# Altium PCB STC16.PcbDoc (continued)
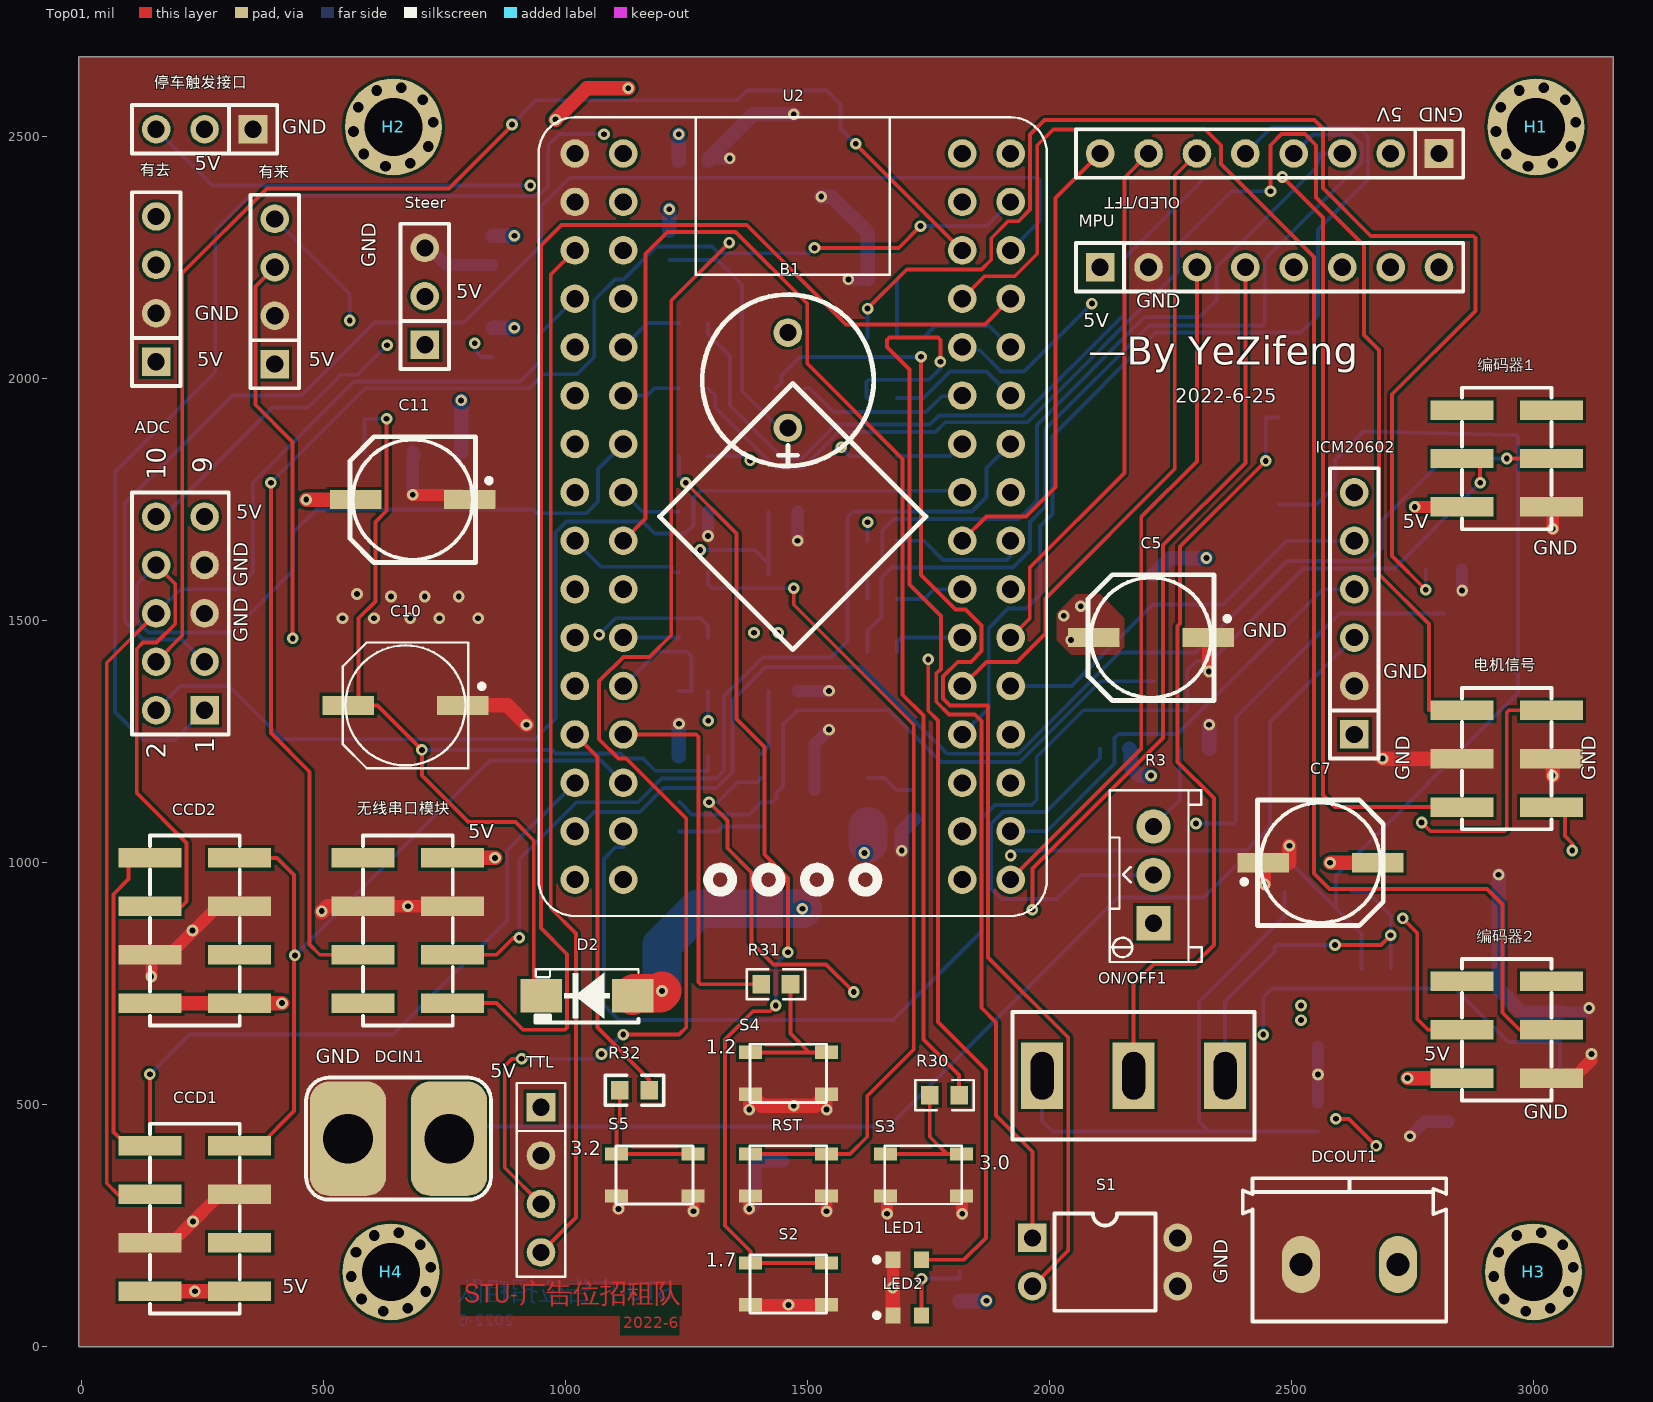
[diagram p0: Top01 view]
## Footprints (in the part's own frame and the unit in brackets; to place one, negate y for a bottom-side part, rotate by r counter-clockwise, add the part's x,y. Pads: shape width x height; smd on the part's side, far side on the other; paste and mask are expansions set on the pad)
0603_C [mm]
  rect 0.93x0.98 smd: 1(-0.77,0) 2(0.77,0)
  silkscreen extent -1.53,-0.79 1.54,0.79, body extent -0.8,-0.4 0.8,0.4, height 0.3
0603_R [mm]
  rect 0.93x0.98 smd: 1(-0.77,0) 2(0.77,0)
  silkscreen extent -1.54,-0.79 1.54,0.79, body extent -0.85,-0.4 0.85,0.4, height 0.56
"0630 TPC 7*7*3" [mm]
  rect 2.5x3 smd: 1(-2.8,0) 2(2.8,0)
  silkscreen extent -3.3,-3.3 3.3,3.3, body extent -3.3,-3.3 3.3,3.3, height 3
"BEEP 9x5.5mm" [mm]
  round 1.5 hole 0.9: 1(-2.5,0) 2(2.5,0)
  silkscreen extent -4.5,-4.5 4.5,4.5, body extent -4.8,-4.8 4.8,4.8, height 5.05
CAPS6.3 [mm]
  rect 2.7x1 smd: 1(-3,0) 2(3,0)
  silkscreen extent -3.3,-3.3 4.13,3.3, body extent -3.5,-3.3 3.5,3.3, height 5.2
DIP4 [mm]
  rect 1.5x1.5 hole 0.9: 1(-1.27,-3.81)
  round 1.5 hole 0.9: 2(1.27,-3.81) 3(1.27,3.81) 4(-1.27,3.81)
  silkscreen extent -2.55,-2.65 2.55,2.65, body extent -3.04,-4.95 3.04,4.95, height 7.03
Female-Header-2.54-SMD-8 [mm]
  rect 3.3x1.02 smd: 1(-2.35,3.81) 2(2.35,3.81) 3(-2.35,1.27) 4(2.35,1.27) 5(-2.35,-1.27) 6(2.35,-1.27) 7(-2.35,-3.81) 8(2.35,-3.81)
  silkscreen extent -2.35,-4.98 2.35,4.98, body extent -3.3,-5.33 3.3,5.33, height 5
HDR1X3 [mm]
  rect 1.5x1.5 hole 0.9: 1(0,0)
  round 1.5 hole 0.9: 2(2.54,0) 3(5.08,0)
  silkscreen extent -1.27,-1.27 6.35,1.27, body extent -1.27,-1.27 6.35,1.27, height 8.54
HDR1X4 [mm]
  rect 1.5x1.5 hole 0.9: 1(0,0)
  round 1.5 hole 0.9: 2(2.54,0) 3(5.08,0) 4(7.62,0)
  silkscreen extent -1.27,-1.27 8.89,1.27, body extent -1.27,-1.27 8.89,1.27, height 8.54
HDR1X6 [mm]
  rect 1.5x1.5 hole 0.9: 1(0,0)
  round 1.5 hole 0.9: 2(2.54,0) 3(5.08,0) 4(7.62,0) 5(10.16,0) 6(12.7,0)
  silkscreen extent -1.27,-1.27 13.97,1.27, body extent -1.27,-1.27 13.97,1.27, height 8.54
HDR1X8 [mm]
  rect 1.5x1.5 hole 0.9: 1(0,0)
  round 1.5 hole 0.9: 2(2.54,0) 3(5.08,0) 4(7.62,0) 5(10.16,0) 6(12.7,0) 7(15.24,0) 8(17.78,0)
  silkscreen extent -1.27,-1.27 19.05,1.27, body extent -1.27,-1.27 19.05,1.27, height 8.54
HDR2X3-M-SMT [mm]
  rect 3.3x1.02 smd: 1(-2.35,2.54) 2(2.35,2.54) 3(-2.35,0) 4(2.35,0) 5(-2.35,-2.54) 6(2.35,-2.54)
  silkscreen extent -2.35,-3.71 2.35,3.71, body extent -3.75,-3.81 3.75,3.81, height 9.74
HDR2X5 [mm]
  rect 1.5x1.5 hole 0.9: 1(0,0)
  round 1.5 hole 0.9: 2(0,2.54) 3(2.54,0) 4(2.54,2.54) 5(5.08,0) 6(5.08,2.54) 7(7.62,0) 8(7.62,2.54) 9(10.16,0) 10(10.16,2.54)
  silkscreen extent -1.27,-1.27 11.43,3.81
"KF/WJ/DG 301-2p-5.0mm" [mm]
  oval 2x3 hole 1.2: 1(2.54,0) 2(-2.54,0)
  silkscreen extent -5.6,-3 5.08,4.53, body extent -5.6,-3 5,4.6, height 10
LEDC1608(0603) [mm]
  rect 0.8x0.85 smd: A(0.75,0) C(-0.75,0)
  silkscreen extent -1.72,-0.12 -1.48,0.12, body extent -0.8,-0.4 0.8,0.4, height 0.64
PTS810-3*4-CurvePin [mm]
  rect 1.2x0.7 smd: 1(-2,-1.1) 1(2,-1.1) 2(-2,1.1) 2(2,1.1)
  silkscreen extent -2.02,-1.52 2,1.52, body extent -2.3,-1.6 2.3,1.6, height 2.5
RESPOT3296 [mm]
  rect 1.8x1.8 hole 0.9: 1(0,0)
  round 1.8 hole 0.9: 2(5.08,0) ADJ(2.54,0)
  silkscreen extent -2.03,-2.54 6.98,2.29, body extent -2.06,-2.44 7.14,2.36, height 12.46
SMA[DO-214AC] [mm]
  rect 2.2x1.75 smd: A(-2.4,0) K(2.4,0)
  silkscreen extent -2.7,-1.4 2.7,1.4, body extent -2.9,-1.46 2.91,1.46, height 2.3
SOD-123-L [mm]
  rect 1x0.85 smd: A(-1.75,0) K(1.75,0)
  silkscreen extent -1.33,-0.9 1.47,0.9, body extent -1.85,-0.8 1.85,0.8, height 1.2
SOP-8E [mm]
  rect 2.5x3.4 smd: 0(0,0)
  rect 1.8x0.65 smd: 1(-2.8,1.905) 2(-2.8,0.635) 3(-2.8,-0.635) 4(-2.8,-1.905) 5(2.8,-1.905) 6(2.8,-0.635) 7(2.8,0.635) 8(2.8,1.905)
  silkscreen extent -2.92,-2.45 1.58,2.82, body extent -3.11,-2.45 3.11,2.45, height 1.75
SOT-23 [mm]
  rect 1.05x0.65 smd: 1(-1.15,0.95) 2(-1.15,-0.95) 3(1.15,0)
  silkscreen extent 0.13,-1.35 0.58,1.35, body extent -1.4,-1.45 1.4,1.45, height 1.2
SS12D10 [mm]
  rect 2.2x3.5 hole 1.2 slot 2.5 at 90 deg mask+0.07: 1(-4.8,0) 2(0,0)
  rect 2.2x3.5 hole 1.2 slot 2.5 at 90 deg paste+0 mask+0.07: 3(4.8,0)
  silkscreen extent -6.35,-3.35 6.35,3.35, body extent -6.4,-3.3 6.35,3.8, height 12.5
STC16F40K128_CoreBoard [mm]
  round 1.5 hole 0.9: 1(-11.43,19.05) 2(-8.89,19.05) 3(-11.43,16.51) 4(-8.89,16.51) 5(-11.43,13.97) 6(-8.89,13.97) 7(-11.43,11.43) 8(-8.89,11.43) 9(-11.43,8.89) 10(-8.89,8.89) 11(-11.43,6.35) 12(-8.89,6.35) 13(-11.43,3.81) 14(-8.89,3.81) 16(-8.89,1.27) 17(-11.43,-1.27) 18(-8.89,-1.27) 19(-11.43,-3.81) 20(-8.89,-3.81) 21(-11.43,-6.35) 22(-8.89,-6.35) 23(-11.43,-8.89) 24(-8.89,-8.89) 25(-11.43,-11.43) 26(-8.89,-11.43) 27(-11.43,-13.97) 28(-8.89,-13.97) 29(-11.43,-16.51) 30(-8.89,-16.51) 31(-11.43,-19.05) 32(-8.89,-19.05) 33(8.89,-19.05) 34(11.43,-19.05) 35(8.89,-16.51) 36(11.43,-16.51) 37(8.89,-13.97) 38(11.43,-13.97) 39(8.89,-11.43) 40(11.43,-11.43) 41(8.89,-8.89) 42(11.43,-8.89) 43(8.89,-6.35) 44(11.43,-6.35) 45(8.89,-3.81) 46(11.43,-3.81) 47(8.89,-1.27) 48(11.43,-1.27) 49(8.89,1.27) 50(11.43,1.27) 51(8.89,3.81) 52(11.43,3.81) 53(8.89,6.35) 54(11.43,6.35) 55(8.89,8.89) 56(11.43,8.89) 57(8.89,11.43) 58(11.43,11.43) 59(8.89,13.97) 60(11.43,13.97) 61(8.89,16.51) 62(11.43,16.51) 63(8.89,19.05) 64(11.43,19.05)
  round 1.5 hole 0.9 mask+0.102: 15(-11.43,1.27)
  silkscreen extent -13.33,-20.95 13.33,20.95
TO-252AA [mm]
  rect 6.7x5.5 smd: 1(3.275,0)
  rect 2.2x0.95 smd: 2(-3.275,2.28) 3(-3.275,-2.28)
  silkscreen extent -3.4,-3.35 -0.48,3.43, body extent -3.77,-3.27 6.16,3.27, height 2.39
TO-263-3 [mm]
  rect 1.07x3.5 smd: 1(-2.54,-4.623)
  rrect50% 1.07x3.5 smd: 2(0,-4.623) 3(2.54,-4.623)
  rrect10% 10.8x11 smd: 2(0,4.623)
  silkscreen extent -5.7,-6.27 5.7,10.42, body extent -5.08,-5.39 5.08,8.84, height 4.87
"Wired T-Header ThroughHole" [mm]
  rrect50% 6x4 hole 2.6: 1(0,2.65)
  rrect50% 6x4 hole 2.6 mask+0.102: 2(0,-2.65)
  silkscreen extent -3.2,-4.85 3.2,4.85
铜柱孔3#1 [mil]
  round 23 hole 22: 11(-82.21,-9.67) 11(-72.19,40.5) 11(-60.83,-56.14) 11(-34.6,75.2) 11(-16.21,-81.17) 11(16.21,81.17) 11(34.6,-75.2) 11(60.83,56.14) 11(72.19,-40.5) 11(82.21,9.67)
  round 200 hole 120: ""(0,0)
铜柱孔3#2 [mil]
  round 23 hole 22: 11(-82.21,-9.67) 11(-72.19,40.5) 11(-60.83,-56.14) 11(-34.6,75.2) 11(-16.21,-81.17) 11(16.21,81.17) 11(34.6,-75.2) 11(60.83,56.14) 11(72.19,-40.5) 11(82.21,9.67)
  round 200 hole 120: 11(0,0)

## Part data
B1: "蜂鸣器"
C1 C2 C3 C8 C12 C13: library part Cap-Chip, "贴片电容100nF", Tolerance=±10%, Voltage=50V, Price(RMB)=0.000, Published=8-Jun-2000, Publisher="Altium Limited", Revision="July-2002: Re-released for DXP Platform."
C4 C9: library part Cap-Chip_2, "贴片电容10uF", Tolerance=±10%, Voltage=50V, Price(RMB)=0.000, Published=8-Jun-2000, Publisher="Altium Limited", Revision="July-2002: Re-released for DXP Platform."
C5 C10: library part Cap-Solid, "Polarized Capacitor (Radial) 100uF，25V", Voltage=25V, Price(RMB)=0.000, Published=8-Jun-2000, Publisher="Altium Limited", Revision="July-2002: Re-released for DXP Platform."
C6: library part Cap-Chip_1, "贴片电容1uF", Tolerance=±10%, Voltage=50V, Price(RMB)=0.000, Published=8-Jun-2000, Publisher="Altium Limited", Revision="July-2002: Re-released for DXP Platform."
C7 C11: library part Cap-Solid_1, "Polarized Capacitor (Radial)  220uF 16V", Voltage=16V, Price(RMB)=0.000, Published=8-Jun-2000, Publisher="Altium Limited", Revision="July-2002: Re-released for DXP Platform."
CCD1 CCD2 无线串口模块: "Header, 4-Pin, Dual row", LatestRevisionDate=17-Jul-2002, LatestRevisionNote="Re-released for DXP Platform.", Price(RMB)=0.00, Publisher="Altium Limited"
D1: library part "Diode TVS Uni-Dir", "TRANSIENT VOLTAGE  SUPPRESSOR DIODE", Imax=500mA, Price(RMB)=0.000, Published=8-Jun-2000, Publisher="Altium Limited"
D2: library part Diode, "普通二极管 Diode", Imax=500mA, Price(RMB)=0.000, Published=8-Jun-2000, Publisher="Altium Limited", Revision="July-2002: Re-released for DXP Platform."
DCIN1: library part T_Header
DCOUT1: library part "KF/WJ/DG 30x", "接线端子 2Pin"
FB1: library part "Ind Chip 2", "Chip Inductor, Ferrite-Core, Silkscreen Border", DCR=.1m, Imax=50mA, Price(RMB)=0.000, Published=8-Jun-2000, Publisher="Altium Limited", Revision="July-2002: Re-released for DXP Platform."
ICM20602: "Header, 6-Pin", LatestRevisionDate=17-Jul-2002, LatestRevisionNote="Re-released for DXP Platform.", Price(RMB)=0.00, Publisher="Altium Limited"
L1: library part "Ind Power", "Power Inductor, Ferrite-Core", DCR=.5m, Imax=50mA, Price(RMB)=0.000, Published=8-Jun-2000, Publisher="Altium Limited", Revision="July-2002: Re-released for DXP Platform."
LED1 LED2: library part "LED Chip Green", "Typical Chip LED", Price(RMB)=0.00, Published=8-Jun-2000, Publisher="Altium Limited", Revision="July-2002: Re-released for DXP Platform."
OLED/TFT: "Header, 8-Pin", LatestRevisionDate=17-Jul-2002, LatestRevisionNote="Re-released for DXP Platform.", Price(RMB)=0.00, Publisher="Altium Limited"
ON/OFF1: "单刀双掷开关 3脚船型、钮子、拨动开关 SPDT Subminiature Toggle Switch", Price(RMB)=0.000, Published=24-Mar-1999, Publisher="Altium Limited"
Q1: "HY19P03 P-Channel MOSFET"
Q2: library part "NPN S8050", "Discrete NPN Bipolar Transistor", PartNumber=S8050, Price(RMB)=0.000, Published=8-Jun-2000, Publisher="Altium Limited", Revision="July-2002: Re-released for DXP Platform."
R1 R14 R21: library part Res-Chip, "贴片电阻4.7K", Tolerance=±1%, Price(RMB)=0.000, Published=8-Jun-2000, Publisher="Altium Limited", Revision="July-2002: Re-released for DXP Platform."
R2 R12: library part Res-Chip_4, "贴片电阻1K", Tolerance=±1%, Price(RMB)=0.000, Published=8-Jun-2000, Publisher="Altium Limited", Revision="July-2002: Re-released for DXP Platform."
R3: library part "Res Adj 3p", "可调电阻"
R4: library part Res-Chip, "贴片电阻15K", Tolerance=±1%, Price(RMB)=0.000, Published=8-Jun-2000, Publisher="Altium Limited", Revision="July-2002: Re-released for DXP Platform."
R5 R6 R25 R26 R27 R28 R29: library part Res-Chip_5, "贴片电阻100R", Tolerance=±1%, Price(RMB)=0.000, Published=8-Jun-2000, Publisher="Altium Limited", Revision="July-2002: Re-released for DXP Platform."
R7 R10 R11 R13: library part Res-Chip, "贴片电阻10K", Tolerance=±1%, Price(RMB)=0.000, Published=8-Jun-2000, Publisher="Altium Limited", Revision="July-2002: Re-released for DXP Platform."
R8: library part Res-Chip_7, "贴片电阻", Tolerance=±1%, Price(RMB)=0.000, Published=8-Jun-2000, Publisher="Altium Limited", Revision="July-2002: Re-released for DXP Platform."
R9: library part Res-Chip_1, "贴片电阻100K", Tolerance=±1%, Price(RMB)=0.000, Published=8-Jun-2000, Publisher="Altium Limited", Revision="July-2002: Re-released for DXP Platform."
R15 R16 R17 R24 R30 R31 R32: library part Res-Chip_8, "贴片电阻", Tolerance=±1%, Price(RMB)=0.000, Published=8-Jun-2000, Publisher="Altium Limited", Revision="July-2002: Re-released for DXP Platform."
R18: library part Res-Chip_6, "贴片电阻", Tolerance=±1%, Price(RMB)=0.000, Published=8-Jun-2000, Publisher="Altium Limited", Revision="July-2002: Re-released for DXP Platform."
R23: library part Res-Chip_3, "贴片电阻10K", Tolerance=±1%, Price(RMB)=0.000, Published=8-Jun-2000, Publisher="Altium Limited", Revision="July-2002: Re-released for DXP Platform."
RST S2 S3 S4 S5: library part KEY, "按键", Price(RMB)=0.000, Published=24-Mar-1999, Publisher="Altium Limited"
S1: library part "Code SW-2", "2位拨码开关", Price(RMB)=0.000, Published=24-Mar-1999, Publisher="Altium Limited", Revision="July-2002: Re-released for DXP Platform."
Steer 停车触发接口: "Header, 3-Pin", LatestRevisionDate=17-Jul-2002, LatestRevisionNote="Re-released for DXP Platform.", Price(RMB)=0.00, Publisher="Altium Limited"
TTL 有去 有来: "Header, 4-Pin", LatestRevisionDate=17-Jul-2002, LatestRevisionNote="Re-released for DXP Platform.", Price(RMB)=0.00, Publisher="Altium Limited"
U1: "同步buck"
U2: "逐飞科技 STC16F40K128核心板"
U3: library part LM2940-5.0, "5V LDO TO-263-3"
电机信号 编码器1 编码器2: "Header, 3-Pin, Dual row", LatestRevisionDate=17-Jul-2002, LatestRevisionNote="Re-released for DXP Platform.", Price(RMB)=0.00, Publisher="Altium Limited"

## Via types
v1: diameter 24, hole 12, Top01 to Bottom04, tented both sides, 132 vias

## Nets (pads, with @x,y where several pads share a name; then routed paths per layer and width w, separated by ;. In a path a pad name is that pad's centre, name@x,y a point inside that pad or via, vN(x,y) a via of type N, cw(c..) or ccw(c..) an arc to the next point about the centre after c; other vN are vias at no path point)
0.0: ADC.1 U2.50 | length 3549.2
  PWR03 w8: v1(1080,2505) 1080,2245 1099.53,2225.47 1384.53,2225.47 1482.5,2127.5 cw(c1460,2095) 1492.5,2117.5 1760,1850 1760,1849.69 1789.69,1820 1865,1820 U2.50
  Bottom04 w8: ADC.1 193,1253 128,1253 70,1311 70,1807 277,2014 277,2306 348,2377 944,2377 965,2398 965,2482 988,2505 v1(1080,2505)
0.1: ADC.2 U2.49 | length 2224.3
  Bottom04 w8: ADC.2 205,1365 306,1365 416,1255 937,1255 980,1298 980,1682 1003,1705 1160,1705 1185,1680 1248,1680 1265,1697 1265,1754 1279.29,1768.29 1816.71,1768.29 U2.49
0.2: U2.52 无线串口模块.3 | length 1959.4
  Top01 w8: 无线串口模块.3 858.22,810 893.21,845 v1(905,845)
  Bottom04 w8: v1(905,845) 905,1007 1023,1125 1150,1125 1199,1174 1312,1174 1328.3,1190.3 1328.3,1344.3 1408,1424 1549,1424 1583,1458 1583,1714 1594.47,1725.47 1840,1725.47 1870,1755.47 1870,1815 U2.52
0.3: U2.58 无线串口模块.1 | length 2993.1
  Top01 w8: 无线串口模块.1 858,710 913,655 999.31,655 1004,659.69 1004,811 950,865 950,2275 992,2317 1375,2317 1580,2112 1867,2112 U2.58
0.4: U2.57 编码器2.4 | length 3163.9
  Top01 w8: U2.57 1866.47,2211.47 1928.47,2211.47 1975,2258 1975,2482 2008,2515 2322,2515 2355,2482 2355,2443 2547,2251 2547,978 2579,946 2904,946 2936,914 2936,690 2971,655 编码器2.4
0.5: ADC.3 U2.60 | length 2830.8
  Bottom04 w8: ADC.3 208.53,1461.47 128,1461.47 90,1499.47 90,1742 313,1965 455,1965 606,2116 791,2116 950,2275 950,2356 1009,2415 1975.31,2415 1980,2410.31 1980,2325 U2.60
0.6: ADC.4 U2.59 | length 2762.8
  Top01 w8: ADC.4 209,1469 209,2218 384,2393 760,2393 v1@891,2524 ; v1@1597.5,2487.5 v1(1600,2485) U2.59
  Bottom04 w8: v1(890,2525) 940,2575 1355,2575 1375,2595 1540.31,2595 1568.63,2566.69 1568.63,2516.37 v1(1600,2485)
0.7: U2.62 无线串口模块.4 | length 2954.7
  Top01 w8: v1(392,1785) 392,1268 472,1188 472,831 493,810 无线串口模块.4 ; v1(1515,2270) 1689,2270 v1(1734,2315)
  Bottom04 w8: v1(392,1785) 587,1980 925,1980 954,2009 1024,2009 1060,2045 1060,2162 1103,2205 1120,2205 1188,2273 1303,2273 1317,2259 1504,2259 v1(1515,2270) ; v1(1734,2315) 1870,2315 U2.62
1.0: TTL.3 U2.61 | length 3124.7
  Top01 w8: v1(910,595) 890,595 875,580 875,370 TTL.3 ; v1(1120,645) 1235,645 1250,660 1250,1091 1126,1215 1110,1215 1070,1255 1070,1375 1120,1425 1174,1425 1219,1470 1219,2161 v1(1339,2281)
  PWR03 w8: v1(1339,2281) 1339,2297 1440,2398 1787,2398 U2.61
  Bottom04 w8: v1(910,595) 1060.67,595 1070.67,605 v1(1075,605) 1077.5,605 1117.5,645 v1(1120,645)
1.1: TTL.4 U2.5 | length 2142.1
  Top01 w8: TTL.4 1022,267 1022,854 970,906 970,2215 U2.5
1.3: ADC.6 CCD1.6 U2.7 | length 2594.4
  Top01 w8: CCD1.6 76,315 53,338 53,1413 ADC.6
  Bottom04 w8: ADC.6 205,1565 320,1565 355,1600 355,1785 564,1994 906.28,1994 946.28,2034 946.28,2091.28 U2.7
1.4: ADC.8 CCD2.6 U2.14 | length 2283.1
  Top01 w8: CCD2.6 208,910 218,920 218,1041 115,1144 115,1442 128,1455 156,1455 194.53,1493.53 194.53,1575.47 ADC.8
  Bottom04 w8: ADC.8 115.47,1575.47 115.47,1498.63 138.63,1475.47 310,1475.47 438,1603.47 438,1682 486,1730 934,1730 942,1722 1044,1722 1068,1746 1068,1813 U2.14
1.5: C2.1 R8.2 R9.1 U2.16 | length 621.5
  PWR03 w8: U2.16 1160,1765 v1(1279,1646)
  Bottom04 w8: U2.16 1160,1725 C2.1 ; v1(1279,1646) 1392,1646 1419.69,1618.31 ; R9.1 1419.69,1618.31 ; R8.2 1420,1618 1419.69,1618.31
1.6: ADC.10 U2.15 | length 1159.5
  PWR03 w8: v1(631.97,2068.97) 680.94,2020 802.47,2020 1020,1802.47 U2.15
  Bottom04 w8: ADC.10 168.82,1715 182.68,1728.86 183.86,1728.86 395,1940 469,1940 537,2008 571,2008 v1(631.97,2068.97)
1.7: R30.1 U2.18 | length 2791
  Top01 w8: U2.18 1166,1711 1166,2258 1211,2303 1352,2303 1500,2155 1500,2031 1697,1834 1697,1347 1740,1304 1740,635 1813.74,561.26 R30.1
2.0: OLED/TFT.5 U2.39 | length 2063.4
  Bottom04 w8: U2.39 1875,1320 1875,1485 1915,1525 1952,1525 1981,1554 1981,1695 2006.34,1720.34 2006.34,1881.84 2219.5,2095 2520,2095 2555,2130 2555,2307.94 2658.53,2411.47 2658.53,2500 2640,2518.53 2458.53,2518.53 OLED/TFT.5
2.1: OLED/TFT.6 U2.41 | length 1337.8
  Top01 w8: U2.41 1870,1415 1933,1415 1991.81,1473.81 1991.81,1546.16 2259,1813.35 2259,2419 OLED/TFT.6
2.2: OLED/TFT.7 U2.44 | length 1118.1
  Top01 w8: U2.44 1959.53,1504.53 1959.53,1609.53 2155,1805 2155,2415 OLED/TFT.7
2.3: R5.2 U2.43 | length 159.5
  Bottom04 w8: R5.2 1685.32,1456.15 1694.17,1465 U2.43
2.5: R6.2 U2.45 | length 143
  Bottom04 w8: R6.2 1742,1545 1762,1565 U2.45
2.6: R29.1 U2.48 | length 285.9
  Bottom04 w8: R29.1 1740.94,1665 1780.47,1625.47 1912,1625.47 1920,1633.47 U2.48
2.7: OLED/TFT.8 U2.47 | length 966.1
  Top01 w8: U2.47 1870,1715 1952,1715 2013,1776 2013,2373 OLED/TFT.8
3.0: R31.1 U2.26 | length 795.2
  Top01 w8: U2.26 1270.31,1265 1275,1260.31 1275,753.7 1279.69,749.02 R31.1
3.1: R32.1 U2.25 | length 798.5
  Top01 w8: U2.25 1066.47,1218.53 1066.47,659.44 1173.32,552.59 R32.1
3.2: CCD1.7 CCD2.7 U2.28 | length 1621.9
  Top01 w8: CCD1.7 368,415 440,487 440,975 405,1010 CCD2.7
  Bottom04 w8: v1(441.5,808.5) 844.47,1211.47 1073.53,1211.47 U2.28
3.3: CCD1.8 CCD2.8 U2.27 | length 2070.5
  Top01 w8: v1(142,563) CCD1.8@142,415 ; CCD1.8 CCD1.8@142,415 ; CCD2.8 98,1010 98,966 67,935 67,444 96,415 CCD1.8@142,415
  Bottom04 w8: v1(142,563) 224,645 644,645 880,881 880,1025 U2.27
3.4: U2.30 编码器1.3 | length 2992.3
  Top01 w8: 编码器1.3 2890,1835 v1(2890,1785)
  Bottom04 w8: U2.30 1120,1032 1104,1032 1080,1008 1080,706 1111,675 1677,675 1860,858 1860,1091 1888,1119 1963,1119 1974,1130 1974,1219 2070,1315 2285,1315 2285,1398 2304,1417 2334,1417 2525,1608 2713,1608 v1(2890,1785)
3.5: U2.29 编码器1.4 | length 2604.8
  Top01 w8: v1(2945,1835) 编码器1.4
  Bottom04 w8: U2.29 1060,1105 1154,1105 1203,1154 1312,1154 1345.33,1187.33 1345.33,1335.33 1414,1404 1610,1404 1780.47,1233.53 1789,1225 1936,1225 2145,1434 2302,1434 2491,1623 2660,1623 2687,1650 2687,1707 2815,1835 v1(2945,1835)
4.0: ICM20602.3 U2.19 | length 2323
  PWR03 w8: U2.19 1069,1516 1640,1516 1720.47,1435.53 1720.47,1286.53 1792,1215 1841,1215 1870,1186 1870,1042 1887,1025 1910,1025 v1(1920,1015)
  Bottom04 w8: v1(1920,1015) 1930,1025 2407,1025 2456,1074 2456,1291 ICM20602.3
4.1: ICM20602.4 U2.36 | length 948.2
  Bottom04 w8: U2.36 1995,1065 2135,1205 2135,1258 2143,1266 2265,1266 2421.14,1422.14 2422.14,1422.14 2565,1565 ICM20602.4
4.2: ICM20602.5 U2.42 | length 834.3
  Bottom04 w8: U2.42 2046,1365 2214.35,1533.35 2358.62,1533.35 2490.27,1665 ICM20602.5
4.3: ICM20602.6 U2.55 | length 1050.2
  PWR03 w8: v1(2088,2155) 2478,1765 ICM20602.6
  Bottom04 w8: U2.55 1826.36,2058.64 1856.36,2058.64 1900,2015 1948,2015 v1(2088,2155)
4.6: U2.63 有去.3 | length 2055.1
  PWR03 w8: 有去.3 205,2285 205,2555 280,2630 1060.36,2630 1122.36,2568 1717,2568 U2.63
5.0: U2.32 有来.4 | length 1767
  PWR03 w8: v1(555,2120) 555,2114.83 669.83,2000 779,2000 953.98,1825.02 953.98,1063.02 992,1025 1060,1025 U2.32
  Bottom04 w8: 有来.4 555,2175 v1(555,2120)
5.1: U2.31 有来.3 | length 1604.5
  Top01 w8: 有来.3 360,2190 360,1946 437,1869 v1(437,1463.36)
  PWR03 w8: v1(437,1463.36) 521.64,1463.36 U2.31
5.3: U2.6 编码器2.3 | length 2792.4
  Top01 w8: v1(2730,885) 2760,855 2760,677 2782,655 编码器2.3
  PWR03 w8: U2.6 1317,2265 1323,2259 1446,2259 1780,1925 1920,1925 2150,1695 2150,1202 2200,1152 2280,1152 2547,885 v1(2730,885)
6.0: R25.2 U2.10 | length 135.4
  Bottom04 w8: U2.10 1170,2115 R25.2
6.2: R26.1 U2.12 | length 120.9
  Bottom04 w8: U2.12 1169,1965 1184,1980 R26.1
6.4: R27.2 U2.22 | length 114.7
  Bottom04 w8: U2.22 R27.2
6.6: R28.1 U2.24 | length 271.6
  Bottom04 w8: U2.24 1190.71,1435.71 1251.29,1435.71 1261,1426 1261,1355 R28.1
7.0: R17.1 U2.35 | length 1599.6
  PWR03 w8: v1(1382,1831) 1708,1505 1936,1505 1960,1481 1960,946 1939,925 1884,925 1863,946 1863,1022 U2.35
  Bottom04 w8: R17.1 1373,1840 v1(1382,1831)
7.4: R2.1 U2.51 | length 145
  Bottom04 w8: R2.1 1795,1840 U2.51
7.5: R15.1 U2.54 | length 278.2
  Bottom04 w8: R15.1 1740,1960 1795,2015 1870,2015 U2.54
7.6: R16.1 U2.53 | length 359.3
  Bottom04 w8: R16.1 1505,1980 1554.29,1930.71 1745.51,1930.71 1778.47,1963.67 1818.67,1963.67 U2.53
7.7: R21.1 R23.1 U2.56 | length 382.9
  Bottom04 w8: R23.1 R21.1 1740,2085 1764,2109 1876,2109 U2.56
FB: R3.2 R4.2 | length 182.5
  Bottom04 w8: R3.2 2269.37,1129.37 R4.2
GND: ADC.5 ADC.7 C2.2 C3.1 C4.2 C5.2 C6.2 C7.2 C8.1 C9.1 C10.2 C11.2 C12.1 C13.1 CCD1.4 CCD1.5 CCD2.4 CCD2.5 DCIN1.2 DCOUT1.2 FB1.1 FB1.2 ICM20602.2 LED1.C LED2.C MPU.2 OLED/TFT.1 Q2.2 R4.1 R9.2 R11.2 R12.1 R23.2 RST.1 S1.3 S1.4 S2.1 S3.1 S4.1 S5.1 Steer.3 TTL.2 U1.0 U2.1 U2.3 U3.2 停车触发接口.1 无线串口模块.5 无线串口模块.6 有去.2 有来.2 电机信号.3 电机信号.4 编码器1.6 编码器2.6 | length 4514.3
  Top01 w25: CCD1.4 187.36,215 v1(231.21,258.85) 275.06,302.7 275.06,307.43 282.64,315 CCD1.5 ; v1(145,765) 145,807.48 CCD2.4 187.36,810 194.94,817.58 194.94,822.31 282.64,910 CCD2.5 ; 无线串口模块.6 v1(675,910) 无线串口模块.5 ; v1(685,1760) 783.11,1760 798.11,1745 C11.2 ; S5.1@1106.26,311.69 1108.72,311.69 1110,310.41 v1(1110,285) ; S5.1@1263.74,311.69 1265,310.43 v1(1265,280) ; v1(1380,285) 1380,310.41 1381.28,311.69 RST.1@1382.52,311.69 ; v1(1380,490) 1380,520.41 1381.28,521.69 S4.1@1382.52,521.69 ; S2.1@1382.52,86.69 1540,86.69 S2.1@1549.84,86.69 ; v1(1540,280) RST.1@1540,311.69 ; v1(1540,490) S4.1@1540,521.69 ; S3.1@1661.26,311.69 1663.72,311.69 1665,310.41 v1(1665,275) ; v1(1676.95,122.5) LED1.C ; S3.1@1818.74,311.69 1820,310.43 v1(1820,275) ; C5.2 2328.11,1396.89 v1(2330,1395) ; C7.2 2445,996.89 v1(2445,955) ; 编码器2.6 3082.4,555 3120,592.6 v1(3120,605) ; 编码器1.6 3040,1732.52 v1(3040,1690)
  Top01 w30: v1(497,900) 497,898 509,910 无线串口模块.6 ; C10.2 880,1325 v1(920,1285) ; S5.1@1108.72,311.69 S5.1@1110,311.69 ; S4.1@1382.52,521.69 1406.21,498 v1(1472,498) 1516.31,498 S4.1@1540,521.69 ; LED2.C v1(1676.95,122.5) ; C7.2 2496,1000 v1(2496,1035) ; v1(2688.36,1215) 电机信号.4 ; 编码器1.6@3008,1735 编码器1.6 ; 电机信号.3 3040,1212.52 v1(3040,1180)
  Bottom04 w25: v1(685,1760) 685,1839.02 690,1844.02 U3.2@685,1849.02 ; Steer.3 719.22,2270 754.53,2234.69 C8.1 ; v1(1295,1675) 1295.31,1675.31 C2.2 ; C13.1 1300.32,2455 v1(1340,2455) ; FB1.2 FB1.1 ; v1(1480,1665) 1480.32,1665.32 R9.2 ; C9.1 v1(1545,1355) ; U1.0 1515,1245 v1(1545,1275) ; v1(1585,2205) R23.2 ; R12.1 v1(2555,562.5) C4.2 ; v1(2745,435) 2775,465 C3.1 ; Q2.2 2852.7,1604.98 v1(2852.7,1562.3) ; R11.2 3105.32,690.32 v1(3115,700)
  Bottom04 w30: C12.1 1234.68,1284.68 1235,1285 v1(1235,1287) ; C13.1 1295.32,2453 1388.32,2546 v1(1472,2546) ; v1(1380,285) 1390.19,295.19 FB1.2 ; v1(1529,2376) 1550.68,2376 1624.68,2302 R23.2 ; v1(1695,1025) 1695,1064.69 C6.2 ; R4.1 v1(2330,1285) ; v1(2928,975) 2928,738.32 2976,690.32 R11.2
  other v1: 1461.26,86.69 230,860 540,1505 605,1505 680,1505 740,1505 820,1505 640,1550 710,1550 780,1550 570,1555
NetB1_1: B1.1 R18.2 | length 516.8
  Bottom04 w8: R18.2 1314.32,2244.68 1365,2194 1365,1975 1432.08,1907.92 1450.23,1907.92 B1.1
NetB1_2: B1.2 Q2.3 | length 2532
  PWR03 w8: B1.2 1491,2095 1728,1858 1728,1657 1760,1625 2066,1625 2126,1565 2126,1074 2175,1025 2247,1025 v1(2303,1081)
  Bottom04 w8: v1(2303,1081) 2380.31,1081 2385,1085.69 2385,1300 2599.72,1514.72 Q2.3
NetC1_1: C1.1 U1.1 | length 173.4
  Bottom04 w8: C1.1 1315,1064.69 1325.31,1075 U1.1
NetC1_2: C1.2 L1.2 U1.2 | length 1273.3
  Bottom04 w8: C1.2 1236.65,1125.32 1250.96,1111.01 1250.96,1110.02 1260.99,1100 1379.76,1100 U1.2 1427.4,1125 1436.2,1133.8 1436.2,1144.06 1450.2,1158.06 1450.2,1285.2 1480,1315 1669,1315 1776,1208 1938.8,1208 2105.56,1374.76 L1.2
NetC6_1: C6.1 U1.6 | length 105
  Bottom04 w8: U1.6 1660,1175 1684.68,1150.32 C6.1
NetC9_2: C9.2 U1.4 | length 136.2
  Bottom04 w8: U1.4 1419.69,1239.92 C9.2
NetC10_1: C10.1 C12.2 D2.K U3.1 | length 2226.5
  Top01 w8: C10.1 C10.1@573,1325 ; v1(631,1917) 631,1727 608,1704 608,1540 573,1505 C10.1@573,1325 ; D2.K 935,740.51 935,1046 897,1084 800,1084 709,1175 708.69,1175 704,1179.69 v1(704,1233) 612,1325 C10.1@573,1325
  Bottom04 w8: U3.1 585,1917 v1(631,1917) ; v1(704,1233) 972.47,1233 980,1225.47 1114.53,1225.47 1125,1215 1161,1215 1186,1190 1295.31,1190 C12.2
NetD1_A: D1.A ON/OFF1.3 R12.2 | length 1250.2
  Bottom04 w8: ON/OFF1.3 1985.09,466 2006.4,444.68 2330.32,444.68 ; D1.A 2486.1,890 2309,712.9 2309,466 2330.32,444.68 ; R12.2 2330.32,444.68
NetD1_K: D1.K ON/OFF1.1 R1.2 | length 770.1
  Top01 w8: v1(2590,830) 2685,830 v1(2705,850)
  Bottom04 w8: ON/OFF1.1 2363.04,713.04 2465,815 2465,825 2470,830 v1(2590,830) ; D1.K 2656,940 2705.32,890.68 R1.2
NetDCIN1_1: DCIN1.1 Q1.3 R1.1 | length 3984.1
  Bottom04 w8: DCIN1.1 760,455 1669,455 2142,928 2319,928 2385,994 2504,994 2592,906 ; Q1.3 2552.24,1740.24 2590,1778 2590,1832 2648.97,1890.97 2963.87,1883.62 2968.48,1879.01 2968.48,1350.48 2592,974 2592,906 ; R1.1 2644.69,853.31 2592,906
NetLED1_A: LED1.A R13.2 | length 2663.9
  Top01 w8: LED1.A 1824,180 1869,225 1869,572 1770,671 1770,1293.97 1750,1313.97 v1(1750,1420)
  PWR03 w8: v1(813,2073) 839.19,2073 987.19,1925 1251.11,1925 1750,1426.11 v1(1750,1420)
  Bottom04 w8: v1(813,2073) 813,2059 827.32,2044.68 R13.2
NetLED2_A: LED2.A R14.2 | length 169.3
  Top01 w8: LED2.A v1(1736.01,141)
  Bottom04 w8: v1(1736.01,141) 1815,141 R14.2
NetOLED/TFT_3: OLED/TFT.3 R6.1 | length 1567.9
  Bottom04 w8: R6.1 1624.69,1590 1655,1620.31 1655,1686.47 1678.53,1710 1937,1710 1974.29,1747.29 1974.29,1904.49 2196.8,2127 2310,2127 2345,2162 2345,2230 2551.47,2436.47 2560,2465 OLED/TFT.3
NetOLED/TFT_4: OLED/TFT.4 R5.1 | length 1919.8
  Bottom04 w8: R5.1 1624.69,1479 1653,1507.31 1653,1589 1674,1610 1925,1610 1960,1645 1960,1704 1992.34,1736.34 1992.34,1895.84 2206.5,2110 2440.31,2110 2445,2114.69 2445,2246.47 2644.53,2446 2644.53,2484 2624,2504.53 2544.53,2504.53 OLED/TFT.4
NetON/OFF1_2: ON/OFF1.2 Q1.2 | length 1611.9
  Top01 w8: ON/OFF1.2 2174.06,748.94 2215,789.87 2215,790.31 2300.31,790.31 2340,830 2340,1133.37 2264.96,1208.41 2264.96,1488.83 2270,1493.86 2270,1653 v1(2447,1830)
  Bottom04 w8: v1(2447,1830) 2447,1919.76 Q1.2
NetQ2_1: Q2.1 R21.2 | length 2633.8
  Top01 w8: v1(1624.68,2144.68) 1705.47,2225.47 1860,2225.47 1880,2245.47 1880,2290 1915,2325 1936,2325 1960,2349 1960,2504 1990,2534 2548,2534 2565,2517 2565,2394 2664,2295 2875.31,2295 2880,2290.31 2880,2139.69 2708,1967.69 2708,1633.6 v1(2777.6,1564)
  Bottom04 w8: R21.2 v1(1624.68,2144.68) ; v1(2777.6,1564) Q2.1
NetR2_2: R2.2 Steer.1 | length 1049.7
  PWR03 w8: Steer.1 758,2118 821,2118 934,2005 1271,2005 1418,1858 v1(1570,1858)
  Bottom04 w8: v1(1570,1858) 1588,1840 R2.2
NetR3_ADJ: R3.ADJ R7.2 | length 798.5
  Bottom04 w8: R7.2 2104.37,1216.37 1993,1105 1904,1105 1880,1081 1880,946 1901,925 2015,925 2065,975 R3.ADJ
NetR10_1: R10.1 R11.1 U1.3 | length 2418.1
  Top01 w8: v1(1297,1125) 1335,1087 1335,1030 1385,980 1385,835 1430,790 1539,790 v1(1596,733)
  PWR03 w8: v1(1596,733) 1684,645 v1(2442,645)
  Bottom04 w8: v1(1297,1125) 1315,1125 1356.2,1166.2 1395.97,1166.2 U1.3 ; v1(2442,645) 2442,722 2460,740 2838,740 2948.31,629.69 R11.1 R10.1
NetR15_2: R15.2 S1.1 | length 2389.6
  Top01 w8: v1(1775,2035) 1775,2080 1770,2085 1670,2085 1665,2080 1665,2065.11 1711,2019.11 1711,1575 1776,1510 1776,1400.05 1766.47,1390.52 1766.47,1332.53 1793,1306 1846,1306 1859.53,1292.47 1859.53,700.47 1890,670 1890,478 1965,403 S1.1
  Bottom04 w8: R15.2 1622.34,1962.34 1622.34,1992.97 1627.03,1997.66 1751.77,1997.66 1775,2020.89 v1(1775,2035)
NetR16_2: R16.2 S1.2 | length 2551.8
  Top01 w8: v1(1735,2045) 1735,1594.1 1806.1,1523 1827,1523 1860,1490 1860,1437 1838,1415 1810.75,1415 1780.47,1384.72 1780.47,1339.53 1795,1325 1872.31,1325 1873.53,1323.78 1873.53,804.47 2039,639 2039,199 S1.2
  Bottom04 w8: R16.2 1446.61,1991.92 1446.61,2006.61 1485,2045 v1(1735,2045)
NetR17_2: R17.2 S2.2 | length 2013.6
  Top01 w8: v1(1249,1785) 1354,1680 1354,1297 1412,1239 1412,1017 1460,969 v1(1460,815) ; v1(1435,705) 1423.26,693.26 1388.26,693.26 1330,635 1330,250.04 1382.52,197.52 1382.52,173.31 S2.2@1540,173.31
  Bottom04 w8: R17.2 1234.68,1799.32 v1(1249,1785) ; v1(1435,705) 1435,790 v1(1460,815)
NetR24_2: R24.2 RST.2 | length 1736.3
  Top01 w8: RST.2@1382.52,398.31 1540,398.31 1588.31,398.31 1624,434 1624,518 1720,614 1720,1285 1472,1533 v1(1472,1567)
  Bottom04 w8: R24.2 1295.32,1575.68 1304,1567 v1(1472,1567)
NetR25_1: R25.1 电机信号.2 | length 3293.3
  Top01 w8: v1(2481.5,2416.5) 2565,2333 2565,1140 2590,1115 电机信号.2
  Bottom04 w8: R25.1 1295.31,2091.69 1340,2047 1340,1945 1450,1835 1489,1835 1559,1905 1752.94,1905 1771.94,1924 1946,1924 2155,2133 2155,2249 2322.5,2416.5 v1(2481.5,2416.5)
NetR26_2: R26.2 电机信号.6 | length 3054.6
  Top01 w8: v1(2457,2387) 2457,2482 2480,2505 2528,2505 2551,2482 2551,2374 2650,2275 2650,2090 2681,2059 2681,1596 2784,1493 2784,1315 电机信号.6
  Bottom04 w8: R26.2 1309.62,1965.69 1309.62,1940.38 1435,1815 1490,1815 1565,1890 1765,1890 1785,1910 1955,1910 2265,2220 2265,2276 2376,2387 v1(2457,2387)
NetR27_1: R27.1 电机信号.1 | length 3519
  Top01 w8: v1(2592,471) 2619,471 v1(2675,415) ; 电机信号.1 3048.83,1115 3064.91,1098.92 3064.91,1055.09 3080.71,1039.3 3080.71,1025.71 v1@3080,1025
  PWR03 w8: v1(1070,1471) 1070,1138 1088,1120 1160,1120 1198,1082 1198,880 1607,471 v1(2592,471) ; v1(2675,415) 3080,820 v1@3080,1025
  Bottom04 w8: v1(1070,1471) 1104,1505 1280.31,1505 1295.31,1490 R27.1
  other v1: 3080.35,1025.35
NetR28_2: R28.2 电机信号.5 | length 3112.8
  Top01 w8: v1(2769,1083) 2787,1065 2940.31,1065 2945,1069.69 2945,1310.31 2949.69,1315 电机信号.5
  PWR03 w8: v1(1295.32,1293.43) 1231,1229.11 1231,880 1318,793 1582,793 1693,682 2457,682 2527,612 2719,612 2769,662 v1(2769,1083)
  Bottom04 w8: v1(1295.32,1293.43) R28.2
NetR29_2: R29.2 停车触发接口.3 | length 2021.5
  PWR03 w8: v1(928,2399) 928,2299 1018.5,2208.5 1136.5,2208.5 1407,1938 1592.68,1938 1624.68,1906 v1(1624.68,1703.47)
  Bottom04 w8: 停车触发接口.3 271,2399 v1(928,2399) ; R29.2 v1(1624.68,1703.47)
NetR30_2: R30.2 S3.2 | length 294
  Top01 w8: S3.2@1661.26,398.31 1788.81,398.31 ; R30.2 1753.11,434 1788.81,398.31 ; S3.2@1818.74,398.31 1788.81,398.31
NetR31_2: R31.2 S4.2 | length 314.2
  Top01 w8: S4.2@1382.52,608.31 1504,608.31 ; R31.2 1465.32,646.99 1504,608.31 ; S4.2@1540,608.31 1504,608.31
NetR32_2: R32.2 S5.2 | length 291.8
  Top01 w8: R32.2 1112.69,466.43 1106.26,460 1106.26,398.31 S5.2@1263.74,398.31
RST: R24.1 U2.17 | length 248.3
  Bottom04 w8: U2.17 1073.53,1611.47 1220.38,1611.47 1220.38,1600 R24.1
SCL: MPU.3 U2.34 | length 1424.5
  Top01 w8: U2.34 2189.77,1234.77 2189.77,1713.77 2305,1829 MPU.3
SDA: MPU.4 U2.33 | length 1679.9
  Top01 w8: v1(1965,903) 1965,988 2235,1258 2235,1656 2405,1826 MPU.4
  PWR03 w8: U2.33 1882,903 v1(1965,903)
VCC5V: ADC.9 C11.1 C13.2 CCD1.1 CCD1.2 CCD2.1 CCD2.2 ICM20602.1 MPU.1 OLED/TFT.2 R14.1 R18.1 TTL.1 U2.2 U3.3 停车触发接口.2 无线串口模块.7 有去.1 有来.1 编码器1.5 编码器2.5 | length 12906.8
  Top01 w25: v1(2755,1735) 编码器1.5
  Top01 w30: CCD1.2 v1(235,115) CCD1.1 ; CCD2.2 CCD2.1 v1(415,710) ; v1(465,1750) C11.1 ; 无线串口模块.7 v1(855,1010) ; v1(2740,555) 编码器2.5
  PWR03 w25: OLED/TFT.2 2815,2355 2915.36,2355 2930,2340.36 2930,2160 2795,2025 2729.64,2025 2715,2010.36 2715,1755 2735,1735 v1(2755,1735)
  PWR03 w30: v1(235,115) 385,265 385,680 v1(415,710) 810,710 865,765 ; ADC.9 255,1885 有来.1 ; 停车触发接口.2 255,2135 有去.1 157.5,2032.5 397.5,2032.5 有来.1 ; v1(1215,2350) 1215,2485 ; v1(1234.69,2504.69) 1215,2485 ; MPU.1 2225,2350 2590,2350 OLED/TFT.2 ; v1(2755,1735) 2770,1735 2780.61,1724.39 2780.61,1690.61 2705,1615 2705,1340 ICM20602.1 2690,1265 2815,1140 2815,630 v1(2740,555) 2611.21,426.21 2278.79,426.21 2150,297.43 2150,120 2090,60 1940,60 1905,95 v1(1870,95) 1850,95 1710,235 1047.57,235 1030,252.57 1030,477.43 1012.43,495 TTL.1 950,680 865,765 ; 有来.1 600,2230 600,2360 620,2380 812.43,2380 830,2397.57 830,2567.43 847.57,2585 1070,2585 1115,2540 1115,2470 U2.2 1195,2465 1215,2485 ; 有来.1 575,2030 650,1955 v1(785,1955) 580,1750 v1(465,1750) 436.21,1721.21 380,1665 380,1275 525,1130 735,1130 v1(855,1010) 865,1000 865,765
  Bottom04 w30: U3.3 v1(785,1955) ; R18.1 v1(1215,2350) ; C13.2 v1(1234.69,2504.69) v1@1235,2505 ; R14.1 1869.69,94.69 v1(1870,95)
VCCBAT: C3.2 C4.1 C5.1 D2.A DCOUT1.1 Q1.1 R8.1 R10.2 U1.7 U1.8 | length 692.4
  Top01 w80: D2.A 1139.49,727.24 1142.8,730.55 1195.55,730.55 v1(1200,735)
  PWR03 w80: v1(1490,905) 1503,905 v1(1618,1020)
  Bottom04 w80: v1(1200,735) 1200,770 1200,830 1275,905 1350,905 1413,905 1415,905 v1(1490,905) ; 1625.24,1040.24 U1.8
  other v1: 2520,675 2520,705 2045,1460 1390,1475 1440,1475 2030,1510 2065,1530
VCCSteer: C7.1 C8.2 L1.1 R7.1 R13.1 Steer.2 | length 4176.7
  Top01 w30: v1(980,2535) 1045,2600 v1(1130,2600) ; v1(2580,1000) C7.1
  PWR03 w30: v1(895,2105) 830,2170 Steer.2 835,2295 v1(895,2295) 895,2450 v1(980,2535) ; v1(1130,2600) 1930,2600 2010,2520 2010,1943.9 v1(2324.45,1629.45) 2210,1515 v1(2210,1180) 2400,1180 v1(2580,1000)
  Bottom04 w30: R13.1 850.31,2105 v1(895,2105) ; C8.2 850.32,2295 v1(895,2295) ; R7.1 2168.31,1231.69 2168.31,1197.57 2185.88,1180 v1(2210,1180) ; L1.1 2249.21,1629.45 v1(2324.45,1629.45) v1@2325,1630
pads on no net: CCD1.3 CCD2.3 H1. H1.11 H2.11 H3.11 H4.11 MPU.5 MPU.6 MPU.7 MPU.8 R3.1 U1.5 U2.4 U2.8 U2.9 U2.11 U2.13 U2.20 U2.21 U2.23 U2.37 U2.38 U2.40 U2.46 U2.64 无线串口模块.2 无线串口模块.8 有去.4 编码器1.1 编码器1.2 编码器2.1 编码器2.2

## Polygon pours and split planes (outlines as drawn)
GND on Bottom04 "GND_L01_P056" (solid, remove dead copper, pour order 25): -5,0 -5,2665 3165,2665 3165,0
VCCBAT on Bottom04 "VCCBAT_L04_P020" (solid, remove dead copper, pour order 20): 1375,1535 1395,1555 1445,1555 1460,1540 1460,1460 1445,1445 1390,1445 1375,1460
VCCBAT on Bottom04 "VCCBAT_L04_P019" (solid, remove dead copper, pour order 19): 1670,1055 1585,1050 1580,1055 1580,1135 1595,1150 1665,1150 1675,1140
VCCBAT on Bottom04 "VCCBAT_L04_P018" (solid, remove dead copper, pour order 18): 2035,1830 2085,1880 2105,1920 2350,1940 2380,1910 2380,1740 2340,1700 2120,1690 2110,1460 2065,1415 2010,1415 1995,1430 1995,1580
VCCBAT on Bottom04 "VCCBAT_L04_P016" (solid, remove dead copper, pour order 16): 2490,720 2505,660 2510,655 2725,655 2870,510 2870,475 2980,475 3005,500 2785,720
VCCBAT on Bottom04 "VCCBAT_L04_P014" (solid, remove dead copper, pour order 14): 2725,305 2720,300 2835,415 2865,430 2885,500 3085,500 3105,480 3105,410 2980,285 2870,265 2850,155 2800,105 2680,105 2650,135 2650,230
GND on Top01 "GND_L01_P026" (solid, remove dead copper, pour order 26): -5,0 -5,2665 3165,2665 3165,0
VCCBAT on Top01 "VCCBAT_L01_P017" (solid, remove dead copper, pour order 17): 2015,1515 2015,1460 2045,1430 2140,1430 2155,1445 2155,1505 2105,1555 2055,1555
GND on PWR03 "GND_L03_P027" (solid, remove dead copper, pour order 27): -5,0 -5,2665 3165,2665 3165,0
VCCBAT on PWR03 "VCCBAT_L03_P024" (solid, remove dead copper, pour order 24): 1360,1455 1365,1480 1375,1500 1475,1500 1515,1460 1515,990 1707.5,912.5 1980,860 2010,890 2010,1105 1980,1135 1980,1530 2010,1560 2095,1560 2105,1550 2105,1375 2105,1350 2105,1325 2105,815 2120,800 2550,800 2600,750 2600,650 2590,640 2530,640 2450,720 1715,720 1605,830 1500,830 1465,865 1330,865 1330,880 1328.74,929.78 1335,975 1335,1035
GND on GND02 (split plane): 3144.9,20.1 2620,20.1 565,20.1 15.1,20.1 15.1,315 15.1,2644.9 3144.9,2644.9

## Other copper
Top01:
  text "STU-广告位招租队" at 790.06,77.32 h70
  text "2022-6" at 1120,30.48 h40
Bottom04:
  text "STU-广告位招租队" at 1224.94,82.32 h70
  text "2022-6" at 895,35.48 h40

## Silkscreen, mask and mechanical layers (free items; w line width, h text height)
Top Overlay:
  text "5V" at 2730,2569.4 h50 r180
  text "GND" at 2855,2569.4 h50 r180
  text "GND" at 415,2495.6 h50
  text "5V" at 235,2420.6 h50
  text "GND" at 619.4,2230 h50 r90
  text "5V" at 775,2155.6 h50
  text "GND" at 2180,2135.6 h50
  text "GND" at 235,2110.6 h50
  text "5V" at 2070,2095.6 h50
  text "5V" at 240,2015.6 h50
  text "5V" at 470,2015.6 h50
  text "—By YeZifeng" at 2080,2009.14 h100
  text "2022-6-25" at 2260,1940.32 h50
  text "5V" at 320,1700.6 h50
  text "5V" at 2730,1680.6 h50
  text "GND" at 3000,1625.6 h50
  text "GND" at 354.4,1570 h50 r90
  text "GND" at 2400,1455.6 h50
  text "GND" at 354.4,1455 h50 r90
  text "GND" at 2690,1370.6 h50
  text "GND" at 2754.4,1170 h50 r90
  text "GND" at 3139.4,1170 h50 r90
  text "5V" at 800,1040.6 h50
  text "1.2" at 1290,595 h50
  text "5V" at 2775,580.6 h50
  text "GND" at 485,575.6 h50
  text "5V" at 845,545.6 h50
  text "GND" at 2980,460.6 h50
  text "3.2" at 1010,385.6 h50
  text "3.0" at 1855,355.6 h50
  text "1.7" at 1290,155 h50
  text "GND" at 2379.4,130 h50 r90
  text "5V" at 415,100.6 h50
Top Solder:
  text "STU-广告位招租队" at 790.06,77.32 h70
  text "2022-6" at 1120,30.48 h40
Bottom Solder:
  text "STU-广告位招租队" at 1224.94,82.32 h70
  text "2022-6" at 895,35.48 h40
Mechanical 1:
  lines w20: 3165,2655 3165,0 2620,0 565,0 -5,0 -5,315 -5,2665 3165,2665

## Text inside footprints (layer, text, board x,y; h text height)
ADC: Top Overlay "2" at 175,1215 h39.37 r90; Top Overlay "1" at 275,1225 h39.37 r90; Top Overlay "9" at 270,1805 h39.37 r90; Top Overlay "10" at 175,1790 h39.37 r90